# Allegro board pc051b_toplevel_177.brd (continued)
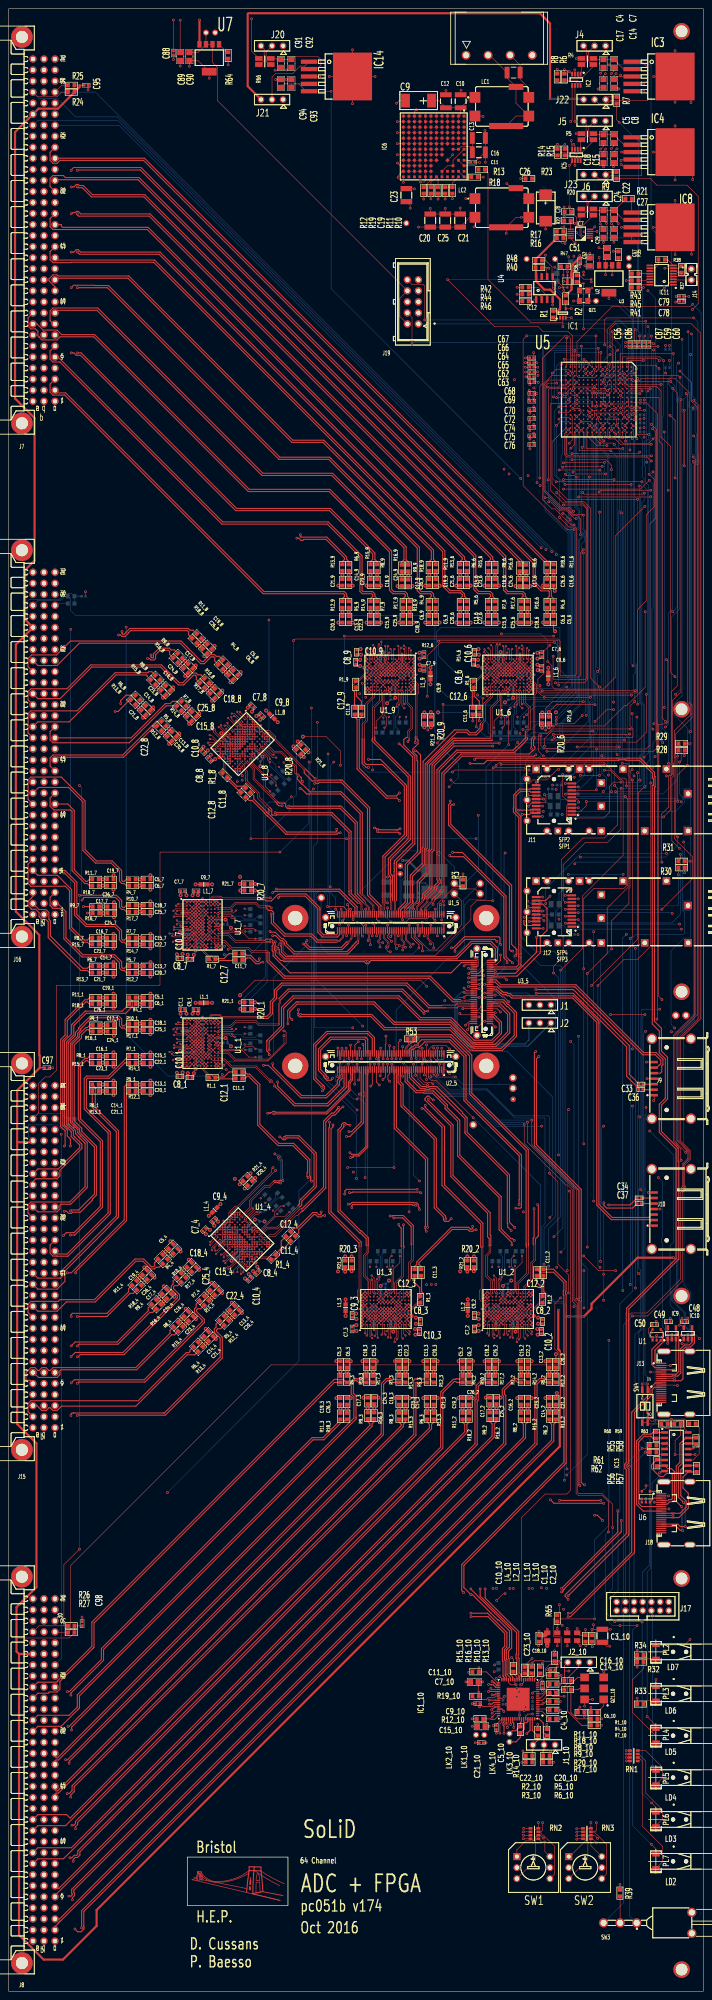
[diagram p0: board, top side]
## Routing (per net, layer and track width the routed paths; a pad name or vN(x,y) marks a point on that pad's centre or on a via; arc(x,y) is an arc through that point) (continued)
  L3 w0.25: v1(84.25,267.7) 83.89,267.7 83.54,267.35 83.19,267.35 83.15,267.38 v1(75.55,267.38) ; v1(106.45,87) 106.41,87 103.2,90.21 103.2,90.64 104.24,91.68 104.24,91.98 104.57,92.31 104.87,92.31 125.51,112.95 v1(126.9,112.95) ; v1(101.6,261.35) 102.26,261.35 102.41,261.49 102.48,261.49 102.81,261.82 102.81,262.28 102.48,262.61 102.25,262.61 97.36,267.5 v1(90.15,267.5) ; v1(114.82,236.66) 115.18,236.3 115.18,236.1 115.43,235.85 138.15,235.85 139.2,234.8 139.2,224.99 139.21,224.98 139.21,224.52 139.2,224.51 139.2,173.06 137.3,171.16 137.3,165.49 137.58,165.21 137.58,164.74 137.3,164.46 137.3,160.99 137.46,160.83 137.46,160.37 137.3,160.21 137.3,159.51 137.58,159.23 137.58,158.77 137.3,158.49 137.3,150.33 137.19,150.22 137.19,149.35 137.3,149.24 137.3,121.16 137.04,120.9 137.04,113.2 136.79,112.95 v1(136.4,112.95)
CLK_N<3>: length 288.7
  TOP w0.25: C12_7.1 54.43,238.8 54.93,238.3 55.81,238.3 57.17,236.94 57.52,236.94 57.74,237.16 v1(57.74,237.61) ; IC1_10.50 114.1,62 113.85,61.75 113.85,61.25 114.1,61 v1(114.1,59.4) ; v1(140.28,110.6) 140.28,105.62 127.41,92.76 127.41,92.75 127.36,92.7 v1(127.35,92.7) ; v1(101.99,240.11) 102.45,240.11 104.99,242.65 112.9,242.65 113.15,242.4 113.15,241.05 v1(113.35,240.85)
  L3 w0.25: v1(127.35,92.7) 125.75,92.7 119.85,86.8 119.85,80.67 119.71,80.53 119.71,78.59 119.74,78.55 119.74,78.11 119.85,78.01 119.85,77.46 119.45,77.06 119.45,76.25 119.25,76.05 119.25,75.64 119.25,75.64 119.25,70.61 118.45,69.8 118.45,69.47 118.19,69.21 118.19,67.37 113.95,63.13 113.95,61.85 113.85,61.75 113.85,61.25 114.1,61 v1(114.1,59.4) ; v1(113.35,240.85) 113.6,241.1 121.6,241.1 123.95,238.75 139.1,238.75 142.15,235.7 142.15,169.31 140.3,167.46 140.3,166.09 140.34,166.06 140.34,165.6 140.3,165.56 140.3,160.09 140.19,159.99 140.19,159.11 140.3,159.01 140.3,115.3 140.28,115.28 v1(140.28,110.6) ; v1(101.99,240.11) 101.99,239.65 100.59,238.25 58.83,238.25 58.19,237.61 v1(57.74,237.61)
CLK_N<4>: length 229.5
  TOP w0.25: v1(69.78,186.42) 69.53,186.67 69.53,187.46 69.35,187.64 69.35,191.4 65.65,195.1 65.24,195.1 62.26,195.1 57.85,199.51 57.85,208.69 55.49,211.05 54.93,211.05 54.43,211.55 C12_1.1 ; v1(77.4,183.45) 77.43,183.48 77.43,184.13 77.83,184.53 v1(94.12,184.53) ; IC1_10.41 112.2,66.95 112.15,67 v1(110.65,67)
  L3 w0.25: v1(69.78,186.42) 69.78,186.87 70.03,187.12 73.72,187.12 v1(77.4,183.45) ; v1(110.65,67) 111.77,67 113.12,68.35 113.12,68.36 113.77,69 113.77,69 114.34,69.57 114.34,70.83 114.35,70.84 114.35,71.21 114.64,71.5 117.25,74.11 117.25,74.29 117.26,74.3 117.26,76.07 117.36,76.17 117.36,90.21 v1(119.85,92.7) 119.86,92.7 135.75,108.59 135.75,166.26 135.64,166.37 135.64,166.83 135.75,166.94 135.75,175.86 126.68,184.93 94.97,184.93 94.57,184.53 v1(94.12,184.53)
CLK_N<5>: length 197.8
  TOP w0.25: v1(78.22,181.13) 78.68,181.13 79.08,181.53 93.11,181.53 93.21,181.43 93.98,181.43 94.33,181.08 94.33,180.54 94.6,180.27 v1(94.6,179.9) ; v1(110.55,69) 112.15,69 112.2,68.95 IC1_10.37 ; C12_4.1 65.74,175.6 66.44,175.6 70.04,179.2 70.94,179.2 71.44,178.69 71.79,178.69 71.97,178.87 v1(71.97,179.33)
  L3 w0.25: v1(94.6,179.9) 94.6,180.2 94.85,180.45 94.96,180.45 96.36,181.85 126.84,181.85 134,174.69 134,111.26 v1(115.44,92.7) 115.44,92.13 116.45,91.12 116.45,76.55 116.35,76.45 116.35,74.71 116.26,74.62 116.26,74.59 113.44,71.77 113.44,71.21 113.43,71.2 113.43,69.95 112.48,69 v1(110.55,69) ; v1(78.22,181.13) 78.22,180.67 77.87,180.32 77.8,180.32 77.62,180.5 73.6,180.5 72.43,179.33 v1(71.97,179.33)
CLK_N<6>: length 158.1
  TOP w0.25: v1(109.75,92.6) 109.75,90.5 117.48,82.77 117.48,77.48 117.35,77.35 117.35,76.85 117.56,76.64 117.56,73.3 118.06,72.8 118.06,72.6 118.06,72.39 118.1,72.35 IC1_10.23 ; v1(106.87,176.03) 106.87,175.58 106.69,175.4 106.34,175.4 105.94,175.8 101.96,175.8 94,167.84 94,167.28 93.5,166.78 C12_3.1
  L3 w0.25: v1(106.87,176.03) 107.32,176.03 108.29,177 124.4,177 129.51,171.89 129.8,171.6 129.8,161.29 129.96,161.14 129.96,160.26 129.8,160.11 129.8,158.16 129.85,158.11 130.43,158.11 130.76,157.78 130.76,157.32 130.43,156.99 130,156.99 129.95,156.94 129.95,155.79 130.01,155.74 130.01,154.86 129.95,154.81 129.95,111.99 110.56,92.6 110.15,92.6 v1(109.75,92.6)
CLK_N<7>: length 116.5
  TOP w0.25: v1(104.8,91.75) 104.35,92.2 104.35,98.21 127.87,121.73 127.87,160.18 127.74,160.31 127.74,161.19 127.87,161.32 127.87,163.07 125.5,165.45 122.35,165.45 C12_2.1 ; v1(106.45,92.6) 106.45,92.55 115.85,83.15 115.85,79 115.13,78.28 115.13,76.67 115.27,76.53 115.27,73.18 116.1,72.35 116.1,72.24 116.1,72.23 IC1_10.27
  L3 w0.25: v1(106.45,92.6) 106.25,92.8 105.9,92.8 105.03,91.93 104.98,91.93 v1(104.8,91.75)
CLK_N<8>: length 181.5
  TOP w0.18: U3_5.57 v1(109.62,223.2)
  TOP w0.25: v1(132.65,116.55) 132.45,116.55 131.85,117.15 131.85,158.76 131.91,158.81 131.91,159.69 131.87,159.73 131.87,184.51 121.59,194.79 121.59,214.59 v1(122.1,215.1) ; v1(111.35,71.3) 111.65,71 111.85,71 112.33,70.52 112.34,70.52 112.41,70.45 IC1_10.34
  L3 w0.25: v1(109.62,223.2) 109.62,223.17 110.9,221.89 110.9,220.65 115.86,215.69 121.51,215.69 v1(122.1,215.1) ; v1(111.35,71.3) 111.35,72 112.48,73.13 113.88,73.13 114.85,74.1 114.85,77.05 115.85,78.05 115.85,88.54 113.46,90.93 113.46,91.04 112.84,91.66 112.73,91.66 112.35,92.04 v1(112.35,92.7) 113.1,92.7 132.53,112.13 132.53,116.18 132.65,116.3 v1(132.65,116.55)
CLK_P<0>: length 299.8
  TOP w0.25: v1(128.85,90.2) 128.18,90.87 128.18,91.23 142.35,105.4 142.35,119.94 141.89,120.4 141.89,121.28 142.25,121.64 142.25,156.03 142.35,156.13 142.35,157.21 152.8,167.66 152.8,167.66 153.71,168.57 153.71,193.79 150.15,197.35 149.86,197.64 149.86,204.12 151.25,205.51 151.25,214.54 149.86,215.93 149.86,220.95 148.25,222.57 148.25,277.45 148.3,277.5 148.46,277.5 148.51,277.55 148.51,279.08 148.46,279.13 148.3,279.13 148.25,279.18 148.25,280.29 145.29,283.25 142.2,283.25 142.15,283.3 142.15,283.32 142.1,283.37 140.57,283.37 140.52,283.32 140.52,283.3 140.47,283.25 110.21,283.25 109.44,282.49 106.31,282.49 v1(106.25,282.55) ; IC1_10.54 116.1,61.94 116.35,61.69 v1(116.35,60.7) ; C11_6.1 v1(106.9,292.3)
  L3 w0.25: v1(116.35,60.7) 116.75,61.1 116.75,61.3 118.55,63.1 118.55,63.5 120.05,65 120.05,69.2 121.35,70.5 121.35,70.59 121.65,70.89 121.65,77.29 121.65,77.71 121.46,77.9 121.46,78.83 121.12,79.17 121.12,79.94 121.33,80.16 121.33,80.24 121.46,80.37 121.46,82.28 121.29,82.45 121.29,83.15 121.46,83.32 121.46,86.3 125.36,90.2 v1(128.85,90.2) ; v1(106.25,282.55) 106.25,283.76 106.9,284.41 v1(106.9,292.3)
CLK_P<1>: length 291.9
  TOP w0.25: IC1_10.45 113.6,64.95 114.05,64.5 v1(114.05,64.4) ; C11_9.1 79.75,293.17 80.25,292.67 80.25,281.25 86.95,274.55 89.45,274.55 v1(90,274) ; v1(116.1,239.35) 115.71,239.35 115.35,239.71 115.35,254.3 101.32,268.33 101.32,273.03 101.72,273.42 v1(101.72,273.88)
  L3 w0.25: v1(90,274) 90.62,274.62 101.42,274.62 101.55,274.5 102.27,274.5 102.35,274.41 102.35,274.06 102.18,273.88 v1(101.72,273.88) ; v1(116.1,239.35) 121.2,239.35 122.63,237.92 138.98,237.92 141.38,235.52 141.38,219.17 141.71,218.84 141.71,170.35 139.21,167.86 139.21,150.32 139.31,150.22 139.31,149.35 139.21,149.26 139.21,108.26 123.9,92.94 v1(123.9,92.7) 123.75,92.55 123.75,92.13 119.23,87.61 119.23,77.96 118.9,77.63 118.9,77.4 118.82,77.32 118.82,75.68 118.82,75.27 118.76,75.2 118.76,73.63 118.75,73.62 118.75,73.09 118.46,72.8 116.78,71.12 116.63,71.12 116.28,70.77 116.28,70.62 115.75,70.09 115.75,65.51 114.64,64.4 v1(114.05,64.4)
CLK_P<2>: length 306.6
  TOP w0.25: v1(102.25,262.05) 104.51,262.05 114.55,252.01 114.55,238.05 115.32,237.28 115.32,237.23 115.39,237.16 115.54,237.16 v1(116.05,236.65) ; v1(137.05,112.3) 125.6,112.3 v1(124.8,113.1) ; v1(84.9,266.9) 85.1,266.7 89.75,266.7 v1(90.1,266.35) ; v1(106.5,86.2) 110.39,86.2 114.25,82.34 114.25,79.39 113.72,78.86 113.72,77.7 113.72,76.09 113.86,75.95 113.86,72.59 113.95,72.5 113.95,72.41 114.1,72.26 IC1_10.31 ; C11_8.1 55.39,274 56.1,274 58.94,271.16 58.94,271.06 59.56,270.44 59.66,270.44 63.85,266.25 64.27,266.25 75.6,266.25 75.92,266.57 v1(76.38,266.57)
  L3 w0.25: v1(137.05,112.3) 137.55,112.3 137.8,112.55 137.8,149.45 137.69,149.56 137.69,150.02 137.8,150.12 137.8,158.28 138.08,158.56 138.08,159.44 137.8,159.72 137.8,160.01 137.96,160.16 137.96,161.04 137.8,161.19 137.8,164.26 138.08,164.54 138.08,165.41 137.8,165.69 137.8,170.95 139.41,172.56 140.25,173.4 140.25,234.65 138.25,236.65 v1(116.05,236.65) ; v1(102.25,262.05) 102.1,262.05 97.8,266.35 v1(90.1,266.35) ; v1(76.38,266.57) 76.38,266.6 76.63,266.85 84.35,266.85 84.42,266.78 84.78,266.78 v1(84.9,266.9) ; v1(124.8,113.1) 124.8,112.94 104.66,92.81 104.36,92.81 103.74,92.19 103.74,91.89 102.7,90.84 102.7,90 105.89,86.81 105.89,86.77 106.22,86.44 106.26,86.44 v1(106.5,86.2)
CLK_P<3>: length 284.3
  TOP w0.25: v1(114.45,61.5) 114.6,61.65 IC1_10.51 ; v1(112.45,241.6) 112,242.05 105.1,242.05 102.8,239.75 v1(102.8,239.3) ; v1(141.1,108.35) 141.1,105.74 127.91,92.55 127.91,92.47 127.7,92.27 127.7,92.08 127.53,91.9 v1(127.35,91.9) ; v1(58.55,236.8) 58.09,236.8 57.73,236.44 56.96,236.44 55.6,237.8 54.93,237.8 54.43,237.3 C11_7.1
  L3 w0.25: v1(141.1,108.35) 141,108.45 141,114.6 140.83,114.77 140.83,115.51 140.8,115.54 140.8,159.21 140.69,159.32 140.69,159.78 140.8,159.89 140.8,165.36 140.84,165.39 140.84,166.27 140.8,166.3 140.8,167.25 142.8,169.25 142.8,235.85 139.35,239.3 124.15,239.3 121.85,241.6 v1(112.45,241.6) ; v1(58.55,236.8) 58.55,237.26 59.04,237.75 100.8,237.75 102.35,239.3 v1(102.8,239.3) ; v1(127.35,91.9) 125.66,91.9 120.42,86.67 120.42,83.53 120.42,83.52 120.42,82.08 120.42,82.07 120.42,80.53 120.35,80.46 120.21,80.32 120.21,78.8 120.5,78.51 120.5,78.07 120.55,78.02 120.55,77.7 120.55,77.45 119.95,76.85 119.95,76.04 119.75,75.84 119.75,70.3 118.95,69.5 118.95,69.26 118.91,69.22 118.91,68.21 118.85,68.15 118.85,67.32 114.45,62.92 v1(114.45,61.5)
CLK_P<4>: length 230.4
  TOP w0.25: v1(110.75,66.1) 111.32,66.1 111.67,66.45 IC1_10.42 ; v1(134.95,109.55) 135.6,109.55 v1(136.8,108.35) ; v1(94.93,183.72) 94.75,183.9 79.2,183.9 79.07,183.77 v1(78.5,183.77) ; v1(68.97,187.23) 68.72,187.48 68.72,188.35 68.85,188.48 68.85,191.19 65.44,194.6 62.05,194.6 57.35,199.3 57.35,208.48 55.28,210.55 54.93,210.55 54.43,210.05 C11_1.1
  L3 w0.25: v1(68.97,187.23) 69.43,187.23 69.83,187.62 74.53,187.62 77.6,184.55 78.42,184.55 78.67,184.3 78.67,183.94 v1(78.5,183.77) ; v1(110.75,66.1) 111.6,66.1 113.62,68.12 113.62,68.15 113.98,68.5 114,68.5 114.84,69.34 114.84,69.86 114.84,70.62 114.85,70.63 114.85,71 117.46,73.61 117.85,74 117.85,75.96 117.86,75.97 117.86,89.86 120.45,92.45 120.45,92.5 v1(120.65,92.7) 136.3,108.35 v1(136.8,108.35) ; v1(94.93,183.72) 94.93,184.18 95.18,184.43 126.47,184.43 135.25,175.65 135.25,167.14 135.14,167.04 135.14,166.16 135.25,166.06 135.25,109.85 v1(134.95,109.55)
CLK_P<5>: length 196.1
  TOP w0.25: v1(72.78,178.52) 72.33,178.52 72,178.19 71.23,178.19 70.73,178.7 70.25,178.7 66.8,175.25 66.8,174.54 C11_4.1 ; v1(93.75,180.87) 93,180.87 92.85,181.03 79.28,181.03 79.03,180.77 v1(79.03,180.32) ; v1(111.35,68.2) 111.92,68.2 112.17,68.45 IC1_10.38
  L3 w0.25: v1(93.75,180.87) 93.92,180.87 95.45,182.4 126.99,182.4 134.5,174.89 134.5,110.7 116.5,92.7 v1(116.24,92.7) 116.24,92.11 116.95,91.4 116.95,76.34 116.85,76.24 116.85,74.5 116.76,74.41 116.76,74.2 113.94,71.38 113.94,71.01 113.93,71 113.93,69.74 113.6,69.41 113.6,69.41 112.72,68.53 112.72,68.52 112.59,68.4 112.12,68.4 111.92,68.2 v1(111.35,68.2) ; v1(72.78,178.52) 72.78,178.97 73.81,180 77.41,180 77.59,179.82 78.08,179.82 78.58,180.32 v1(79.03,180.32)
CLK_P<6>: length 156.2
  TOP w0.25: C11_3.1 95,166.78 94.5,167.28 94.5,167.63 102.17,175.3 105.73,175.3 106.13,174.9 106.9,174.9 107.22,175.22 v1(107.68,175.22) ; IC1_10.24 117.6,72.1 117.56,72.14 117.56,72.39 117.56,72.59 117.06,73.09 117.06,76.43 116.85,76.64 116.85,77.56 116.98,77.69 116.98,82.56 108.6,90.94 v1(108.6,92.6)
  L3 w0.25: v1(108.6,92.6) 108.96,92.6 109.52,93.16 110.3,93.16 110.33,93.13 110.39,93.13 129.45,112.2 129.45,155.02 129.51,155.07 129.51,155.53 129.45,155.58 129.45,156.8 129.14,157.11 129.14,157.99 129.3,158.14 129.3,160.31 129.46,160.47 129.46,160.93 129.3,161.09 129.3,171.39 124.19,176.5 108.5,176.5 107.68,175.68 v1(107.68,175.22)
CLK_P<7>: length 113.3
  TOP w0.25: C11_2.1 125.5,166.15 128.4,163.25 128.4,161.14 128.24,160.98 128.24,160.52 128.4,160.36 128.4,155.54 128.39,155.53 128.39,155.07 128.4,155.06 128.4,121.55 104.85,98 104.85,92.9 v1(106.45,91.3) 106.8,91.3 112.69,85.41 112.89,85.41 115.35,82.94 115.35,79.21 114.63,78.49 114.63,78.07 114.63,76.46 114.77,76.32 114.77,72.97 115.55,72.19 115.55,71.75 IC1_10.28
CLK_P<8>: length 178.9
  TOP w0.18: v1(112.1,221.9) 111.3,222.7 U3_5.59
  TOP w0.25: v1(131.57,116.34) 131.35,116.57 131.35,158.96 131.41,159.02 131.41,159.48 131.37,159.52 131.37,184.31 121.09,194.59 121.09,215.94 v1(121.4,216.25) ; v1(110.55,70.6) 111.12,70.6 111.22,70.5 111.64,70.5 112.12,70.02 112.13,70.02 112.2,69.95 IC1_10.35
  L3 w0.25: v1(110.55,70.6) 110.55,74.7 115.35,79.5 115.35,88.33 112.96,90.73 112.96,90.83 112.63,91.16 112.53,91.16 111.55,92.13 v1(111.55,92.7) 111.56,92.7 112.12,93.26 112.56,93.26 131.73,112.43 131.73,116.19 v1(131.57,116.34) ; v1(121.4,216.25) 116.65,216.25 112.1,220.8 v1(112.1,221.9)
CPLD_TDO: length 303.1
  TOP w0.13: U5.A10 144.95,364.75 v1(145.4,364.3) ; U6.5 145.82,115.11 146.21,115.5 146.44,115.5 146.8,115.85 v1(146.8,116.35)
  L4 w0.13: v1(152.65,220.8) 152.55,220.9 v1(146.7,220.9) ; v1(145.4,364.3) 156.28,364.3 157.8,362.78 v1(157.8,357.9)
  BOTTOM w0.13: 147.6,116.35 v1(146.8,116.35) ; 147.6,116.35 147.6,126.95 146.2,128.35 146.2,139.35 146.41,139.56 146.41,139.97 146.2,140.18 146.2,183.96 146.35,184.11 146.35,184.52 146.35,184.74 146.2,184.89 146.2,200.65 146.35,200.8 146.35,201.64 146.2,201.79 146.2,220.4 v1(146.7,220.9) ; 147.6,116.35 147.64,116.31 147.64,112.92 147.53,112.81 147.53,97.98 146.05,96.5 J17.8 ; v1(157.8,357.9) 158.2,357.5 158.2,353.57 158.41,353.36 158.41,352.45 158.46,352.36 158.46,351.74 157.74,351.02 157.74,223.56 154.93,220.75 152.7,220.75 v1(152.65,220.8)
EXT_TEMP_ENABLE: length 230.8
  TOP w0.13: U5.G15 137.35,359.75 v1(136.9,359.3) ; R64.2 v1(50.55,443.26) ; v1(147.9,345.4) 136.4,345.4 v1(136,345)
  L4 w0.13: v1(147.9,345.4) v1(151.9,345.4) ; v1(50.55,443.26) v1(138.27,443.26)
  BOTTOM w0.13: v1(136.9,359.3) 136.9,357.61 135.71,356.42 135.71,351.16 135.7,351.16 135.7,349.84 136,349.55 v1(136,345) ; v1(138.27,443.26) 147.9,443.26 147.95,443.21 147.95,405.69 152.7,400.95 152.7,377.15 152.6,377.06 152.6,376.64 152.7,376.55 152.7,371.67 151.74,370.71 151.74,345.55 v1(151.9,345.4)
EXT_TEMP_SCL<0>: length 72.3
  TOP w0.13: U5.B13 141.94,362.21 v1(141.85,362.21) ; J19.4 92.91,385.13 v1(92.91,379.36)
  BOTTOM w0.13: v1(92.91,379.36) 138.77,379.36 139.77,378.36 139.77,370.4 141.85,368.32 v1(141.85,362.21)
EXT_TEMP_SCL<1>: length 83.9
  TOP w0.13: J19.10 92.91,392.75 95.47,392.75 95.84,392.39 v1(95.84,384.58) ; v1(141.95,360.3) 142.4,359.85 U5.B15
  BOTTOM w0.13: v1(95.84,384.58) 140.64,384.58 143.35,381.87 143.35,361.7 v1(141.95,360.3)
EXT_TEMP_SDA<0>: length 69.8
  TOP w0.13: v1(142.85,362.3) 142.85,361.2 U5.B14
  BOTTOM w0.13: J19.1 139.83,383.67 142.85,380.65 v1(142.85,362.3)
EXT_TEMP_SDA<1>: length 99.7
  TOP w0.13: v1(148.42,357.2) 147.42,356.2 141.48,356.2 140.8,356.88 140.8,359.43 140.47,359.75 U5.D15
  L4 w0.13: v1(147.24,391.29) 146.8,390.85 127.64,390.85 127.21,391.29 J19.7
  BOTTOM w0.13: v1(148.42,357.2) 148.94,357.72 148.94,374.66 149.05,374.76 149.05,389.48 v1(147.24,391.29)
EXTERNAL_SCL<0>: length 318
  TOP w0.13: v1(146.45,363.8) 146.4,363.75 U5.A11 ; R25.1 12.27,438.6 J7.C29
  TOP w0.15: v1(155.6,363.8) v1(155.6,351)
  L3 w0.15: v1(114.1,350.25) 114.1,349.58 118.03,345.65 126.85,345.65 127.8,344.7 130.3,344.7 131.35,345.75 146.5,345.75 147.35,346.6 153.6,346.6 155.6,348.6 v1(155.6,351)
  L4 w0.13: 127.7,304.1 127.7,329.05 v1(126.15,330.6) ; v1(146.45,363.8) v1(155.6,363.8)
  L4 w0.15: 127.7,304.1 127.7,303.6 127.85,303.45 128.55,303.45 128.66,303.56 128.66,334.19 114.1,348.75 v1(114.1,350.25)
  BOTTOM w0.13: J7.C29 19.95,437 125.2,331.75 125.31,331.75 126.15,330.9 v1(126.15,330.6)
EXTERNAL_SCL<1>: length 223
  TOP w0.13: v1(144.09,361.61) 143.54,361.61 U5.A13 ; v1(124.66,309.74) 123.29,308.37 123.29,303.31 121.9,301.91 121.9,299.03 122.68,298.25 v1(143.45,298.25)
  L4 w0.13: J16.C29 121.04,318.9 124.66,315.28 v1(124.66,309.74) ; v1(143.45,298.25) 142.85,298.85 142.85,354.4 v1(143.1,354.65)
  BOTTOM w0.13: R52.1 11.07,319.3 J16.C29 ; v1(144.09,361.61) 144.35,361.35 144.35,359.59 143.1,358.34 v1(143.1,354.65)
EXTERNAL_SCL<2>: length 323.5
  TOP w0.13: v1(122.89,299.25) v1(144.35,299.25) ; U5.A15 143.86,359.29 143.86,358.14 v1(144.7,357.3)
  L4 w0.13: v1(14.29,313.4) 122.01,313.4 122.89,312.52 v1(122.89,299.25)
  BOTTOM w0.13: v1(14.29,313.4) 14.29,199.74 R50.1 12.37,199.1 J15.C29 ; v1(144.35,299.25) 144.55,299.46 144.55,305.31 144.15,305.71 144.15,356.75 v1(144.7,357.3)
EXTERNAL_SCL<3>: length 381.6
  TOP w0.13: J8.C29 10.82,82.55 R27.1 14.29,83.19 14.29,98 60.44,144.14 126.42,144.14 126.74,144.47 126.74,146.82 125.8,147.77 125.8,158.22 v1(127.14,159.55) ; v1(142.09,356.7) 142.09,358.44 U5.B16
  L4 w0.13: v1(127.14,159.55) 127.14,160.28 128.1,161.25 v1(141.45,161.25) ; v1(142.25,243.2) 144.25,245.2 144.25,279.45 v1(144.05,279.65)
  BOTTOM w0.13: v1(142.09,356.7) 142.09,289.33 142.95,288.47 142.95,280.75 v1(144.05,279.65) ; v1(141.45,161.25) 141.45,242.4 v1(142.25,243.2)
EXTERNAL_SDA<0>: length 303.4
  TOP w0.13: J7.A29 6.67,435.93 11.12,435.93 12.19,437 R24.1 ; v1(147.4,358.25) 144.82,358.25 144.58,358.49 144.58,361.87 143.9,362.55 143.6,362.55 U5.A12
  L3 w0.15: v1(115.25,349.15) 116.1,350 119.9,350 121.15,348.75 126.95,348.75 128,349.8 129.03,349.8 129.79,349.04 135.91,349.04 138.72,351.85 v1(146.95,351.85)
  L4 w0.13: v1(125.1,331.25) 125.1,330.93 125.94,330.09 126.26,330.09
  L4 w0.15: 126.26,330.09 127.4,328.95 127.4,303.45 127.7,303.15 128.8,303.15 129.03,303.38 129.03,334.38 115.25,348.15 v1(115.25,349.15)
  BOTTOM w0.13: J7.A29 6.99,435.6 11.1,435.6 15.4,431.3 25.05,431.3 v1(125.1,331.25)
  BOTTOM w0.15: v1(147.4,358.25) 147.4,357.25 146.95,356.8 v1(146.95,351.85)
EXTERNAL_SDA<1>: length 255.9
  TOP w0.13: v1(143.85,360.2) 143.85,360.3 U5.A14 ; v1(125.13,287.93) v1(141.88,287.93)
  L4 w0.13: v1(151.02,295.42) 151.82,294.61 151.82,289.6 150.15,287.93 v1(141.88,287.93) ; v1(151.02,358.8) 148.05,358.8 146.56,360.3 143.95,360.3 v1(143.85,360.2)
  BOTTOM w0.13: v1(151.02,295.42) v1(151.02,358.8) ; v1(125.13,287.93) 115.88,287.93 115.64,287.7 100.34,287.7 98.16,289.88 98.16,314.81 96.35,316.61 15.39,316.61 14.29,317.71 14.29,320.36 R51.1 12.9,321 11.88,319.98 6.67,319.98 J16.A29
EXTERNAL_SDA<2>: length 296.6
  TOP w0.13: v1(143.65,357.3) 143.4,357.55 U5.A16 ; v1(144.2,296.8) 143.11,295.71 143.11,291.16 143.8,290.47 143.8,288.7 143.58,288.48 v1(125.69,288.48) ; J15.A29 6.92,202.13 6.92,208.92 8.4,210.4 9.46,210.4 11,211.94 11,231.36 11.13,231.49 34.72,231.49 34.85,231.62 34.85,262 34.98,262.13 v1(62.49,262.13)
  L4 w0.13: v1(69.21,282.87) 73.18,282.87 74.78,284.46 116.46,284.46 120.05,288.06 123.65,288.06 124.07,288.48 v1(125.69,288.48)
  BOTTOM w0.13: v1(143.65,357.3) 143.89,357.06 143.89,305.61 144.29,305.2 144.29,303.38 143.85,302.93 143.85,299.05 144.2,298.7 v1(144.2,296.8) ; J15.A29 6.79,202 12.1,202 13.4,200.7 R49.1 ; v1(69.21,282.87) 69.14,282.8 69.14,268.78 v1(62.49,262.13)
EXTERNAL_SDA<3>: length 406.3
  TOP w0.13: 12.71,84.1 6.99,84.1 J8.A29 ; 12.71,84.1 R26.1 ; 12.71,84.1 12.71,98.15 v1(16.3,101.74) ; v1(125.49,289.22) 142.97,289.22 v1(143.05,289.3) ; U5.C16 v1(141.4,357.55)
  L4 w0.13: v1(113.34,288.19) 73.46,288.19 66.57,281.3 63.75,281.3 59.9,277.44 v1(16.3,277.44)
  BOTTOM w0.13: v1(125.49,289.22) 124.46,288.19 v1(113.34,288.19) ; v1(141.4,357.55) 142.47,357.55 142.6,357.42 142.6,289.74 v1(143.05,289.3) ; v1(16.3,101.74) 16.3,251.5 16.8,251.99 16.8,276.95 v1(16.3,277.44)
FPGA_JTAG_VREF: length 1.2
  TOP w0.18: v1(77.75,217.03) U2_5.92
FPGA_LEDS<0>: length 223.7
  TOP w0.13: LD4.1 148.28,51.6 v1(148.28,51.72)
  TOP w0.18: U2_5.21 v1(95.25,213.4)
  L4 w0.13: v1(138.61,90.44) 138.61,87.49 139.69,86.41 v1(148.28,86.41) ; v1(95.25,213.4) 94.9,213.05 94.9,204.78 95.03,204.65 97.55,204.65 98.49,203.7 v1(143.68,203.7)
  BOTTOM w0.13: v1(138.61,90.44) 140.35,92.19 140.35,109.97 140.77,110.39 140.77,158.16 143.68,161.06 v1(143.68,203.7) ; v1(148.28,51.72) v1(148.28,86.41)
FPGA_LEDS<1>: length 215.1
  TOP w0.13: v1(119.48,199.97) 119.48,195.38 130.2,184.66 130.2,159.1 131,158.3 131,114.9 131.4,114.5 136.7,114.5 139.1,112.1 v1(139.1,106.7) ; v1(148.1,43.35) 149.1,42.35 LD3.1 ; v1(139.6,85.05) 145.8,85.05 v1(145.9,84.95) ; v1(95.25,217) 94.78,217 94.25,216.47 U2_5.26
  BOTTOM w0.13: v1(145.9,84.95) 145.9,45.55 v1(148.1,43.35) ; v1(119.48,199.97) 112.58,199.97 105.95,206.6 100.85,206.6 97.5,209.95 97.04,209.95 96.75,210.25 96.75,212.85 95.25,214.35 v1(95.25,217) ; v1(139.1,106.7) 139.1,92.65 137.85,91.4 137.85,86.8 v1(139.6,85.05)
FPGA_LEDS<2>: length 219.1
  TOP w0.13: v1(140.8,84.15) v1(144.75,84.15) ; v1(97.7,208.8) 97.35,209.15 95.75,209.15 94.75,210.15 U2_5.23 ; v1(118.75,199.45) 118.75,195.1 128.32,185.53 128.72,185.53 129.85,184.4 129.85,158.75 130.7,157.9 130.7,114.6 131.25,114.05 136.75,114.05 138.15,112.65 v1(138.15,105.7) ; v1(148,33.85) 149.1,32.75 LD2.1
  BOTTOM w0.13: v1(140.8,84.15) 139.1,84.15 137.4,85.85 137.4,104.95 v1(138.15,105.7) ; v1(118.75,199.45) 112.55,199.45 105.75,206.25 100.25,206.25 v1(97.7,208.8) ; v1(148,33.85) 143.75,38.1 143.75,83.15 v1(144.75,84.15)
FPGA_POWER_ENABLE: length 339.3
  TOP w0.13: U5.B3 142.97,372.32 v1(144.12,372.32) ; v1(135.04,292.19) 137.78,294.93 v1(139.33,294.93) ; U1_5.27 93.75,242.66 96.8,239.6 98.54,239.6 104.31,245.37 104.31,250.89 LK3.1 ; v1(129.85,372.3) 129.85,380.93 128.85,381.93 123.04,381.93 121.91,383.07 111.89,383.07 v1(101.1,393.85)
  L4 w0.13: v1(139.33,294.93) 135.35,294.93 134.56,295.72 134.56,357.69 135.66,358.79 135.66,360.59 133.95,362.3 v1(133.85,362.3) ; J21.1 63.2,428.55 97.9,393.85 v1(101.1,393.85) ; v1(108.15,270.59) 117.14,270.59 118.62,272.07 124.87,272.07 v1(128.27,275.46)
  BOTTOM w0.13: v1(128.27,275.46) 132.6,279.8 132.6,282.5 134.3,284.2 134.3,288.91 135.04,289.65 v1(135.04,292.19) ; v1(108.15,270.59) 108.15,258.05 LK3.1 ; v1(133.85,362.3) 133.09,362.3 130.36,365.03 130.36,369.19 129.85,369.7 v1(129.85,372.3) ; v1(144.12,372.32) 143.86,372.58 143.86,382.08 143.8,382.14 143.8,382.56 143.86,382.62 143.86,385.62 138.94,390.54 127.49,390.54 124.18,393.85 v1(101.1,393.85)
FPGA_TDI: length 211.1
  TOP w0.13: R63.2 155.7,131.65 v1(152.6,131.65) 152.55,131.6 148.7,131.6 v1(147.1,133.2) ; U2_5.96 v1(76.75,216.98)
  L4 w0.13: v1(80.26,205.31) 83.61,201.95 145.35,201.95 v1(146.8,203.4)
  BOTTOM w0.13: v1(80.26,205.31) 79.36,205.31 75.25,209.42 75.25,210.76 77.75,213.26 77.75,215.99 v1(76.75,216.98) ; J17.10 148.05,112.6 148.2,112.75 148.2,116.92 150.38,119.09 150.38,125.33 152.6,127.55 v1(152.6,131.65) ; v1(147.1,133.2) 147.1,139.13 146.69,139.54 146.69,139.96 147.1,140.37 147.1,141.4 146.55,141.95 146.55,183.94 146.61,184 146.61,184.41 146.61,184.84 146.55,184.91 146.55,200.63 146.61,200.69 146.61,201.51 146.8,201.7 v1(146.8,203.4)
FPGA_TDO_CPLD_TDI: length 291.5
  TOP w0.13: v1(76.33,214.62) 76.33,215.72 U2_5.98 ; U5.R11 129,363.35 v1(126.8,363.35)
  L4 w0.13: v1(148.42,349.62) 158.19,349.62 159.15,350.58 159.15,376.3 158.1,377.35 152.89,377.35 152.68,377.13 137.41,377.13 136.92,376.64 131.87,376.64 131.56,376.95 131.14,376.95 128.6,374.4 v1(127.4,374.4) ; v1(76.33,214.62) 78.15,216.43 100.23,216.43 101.2,217.4 141.3,217.4 146.65,222.75 149.53,222.75 150.1,223.32 150.1,224.33 148.4,226.03 v1(148.4,281.64)
  BOTTOM w0.13: v1(126.8,363.35) 126.8,364 127.21,364.41 127.21,364.82 126.7,365.33 126.7,367.07 126.33,367.43 126.33,369.04 127.01,369.71 127.01,374.01 v1(127.4,374.4) ; v1(148.4,281.64) 148.4,287.28 149.04,287.93 149.04,291.35 149.16,291.46 149.16,291.88 148.94,292.09 148.94,349.1 v1(148.42,349.62)
GPIO<0>: length 301.9
  TOP w0.13: v1(138.9,359.21) 138.9,360.25 U5.E14
  L4 w0.13: v1(131.85,368.2) 129.2,370.84 v1(116.5,370.84) ; v1(138.9,359.21) v1(141.9,359.21) ; v1(123.75,331.75) 124.75,330.75 124.9,330.75 126.8,328.85
  L4 w0.15: 126.8,328.85 127.1,328.55 127.1,303.3 127.6,302.8 128.9,302.8 129.35,303.25 129.35,334.45 116.5,347.3 v1(116.5,370.84)
  BOTTOM w0.13: J7.A26 6.67,430.45 25.2,430.45 123.75,331.9 v1(123.75,331.75) ; v1(141.9,359.21) 141.09,360.01 141.09,361.32 140.09,362.32 138.78,362.32 134.9,366.21 134.9,367.96 134.61,368.25 131.9,368.25 v1(131.85,368.2)
